# KiCad board panel.opm-inline.kicad_pcb (continued)
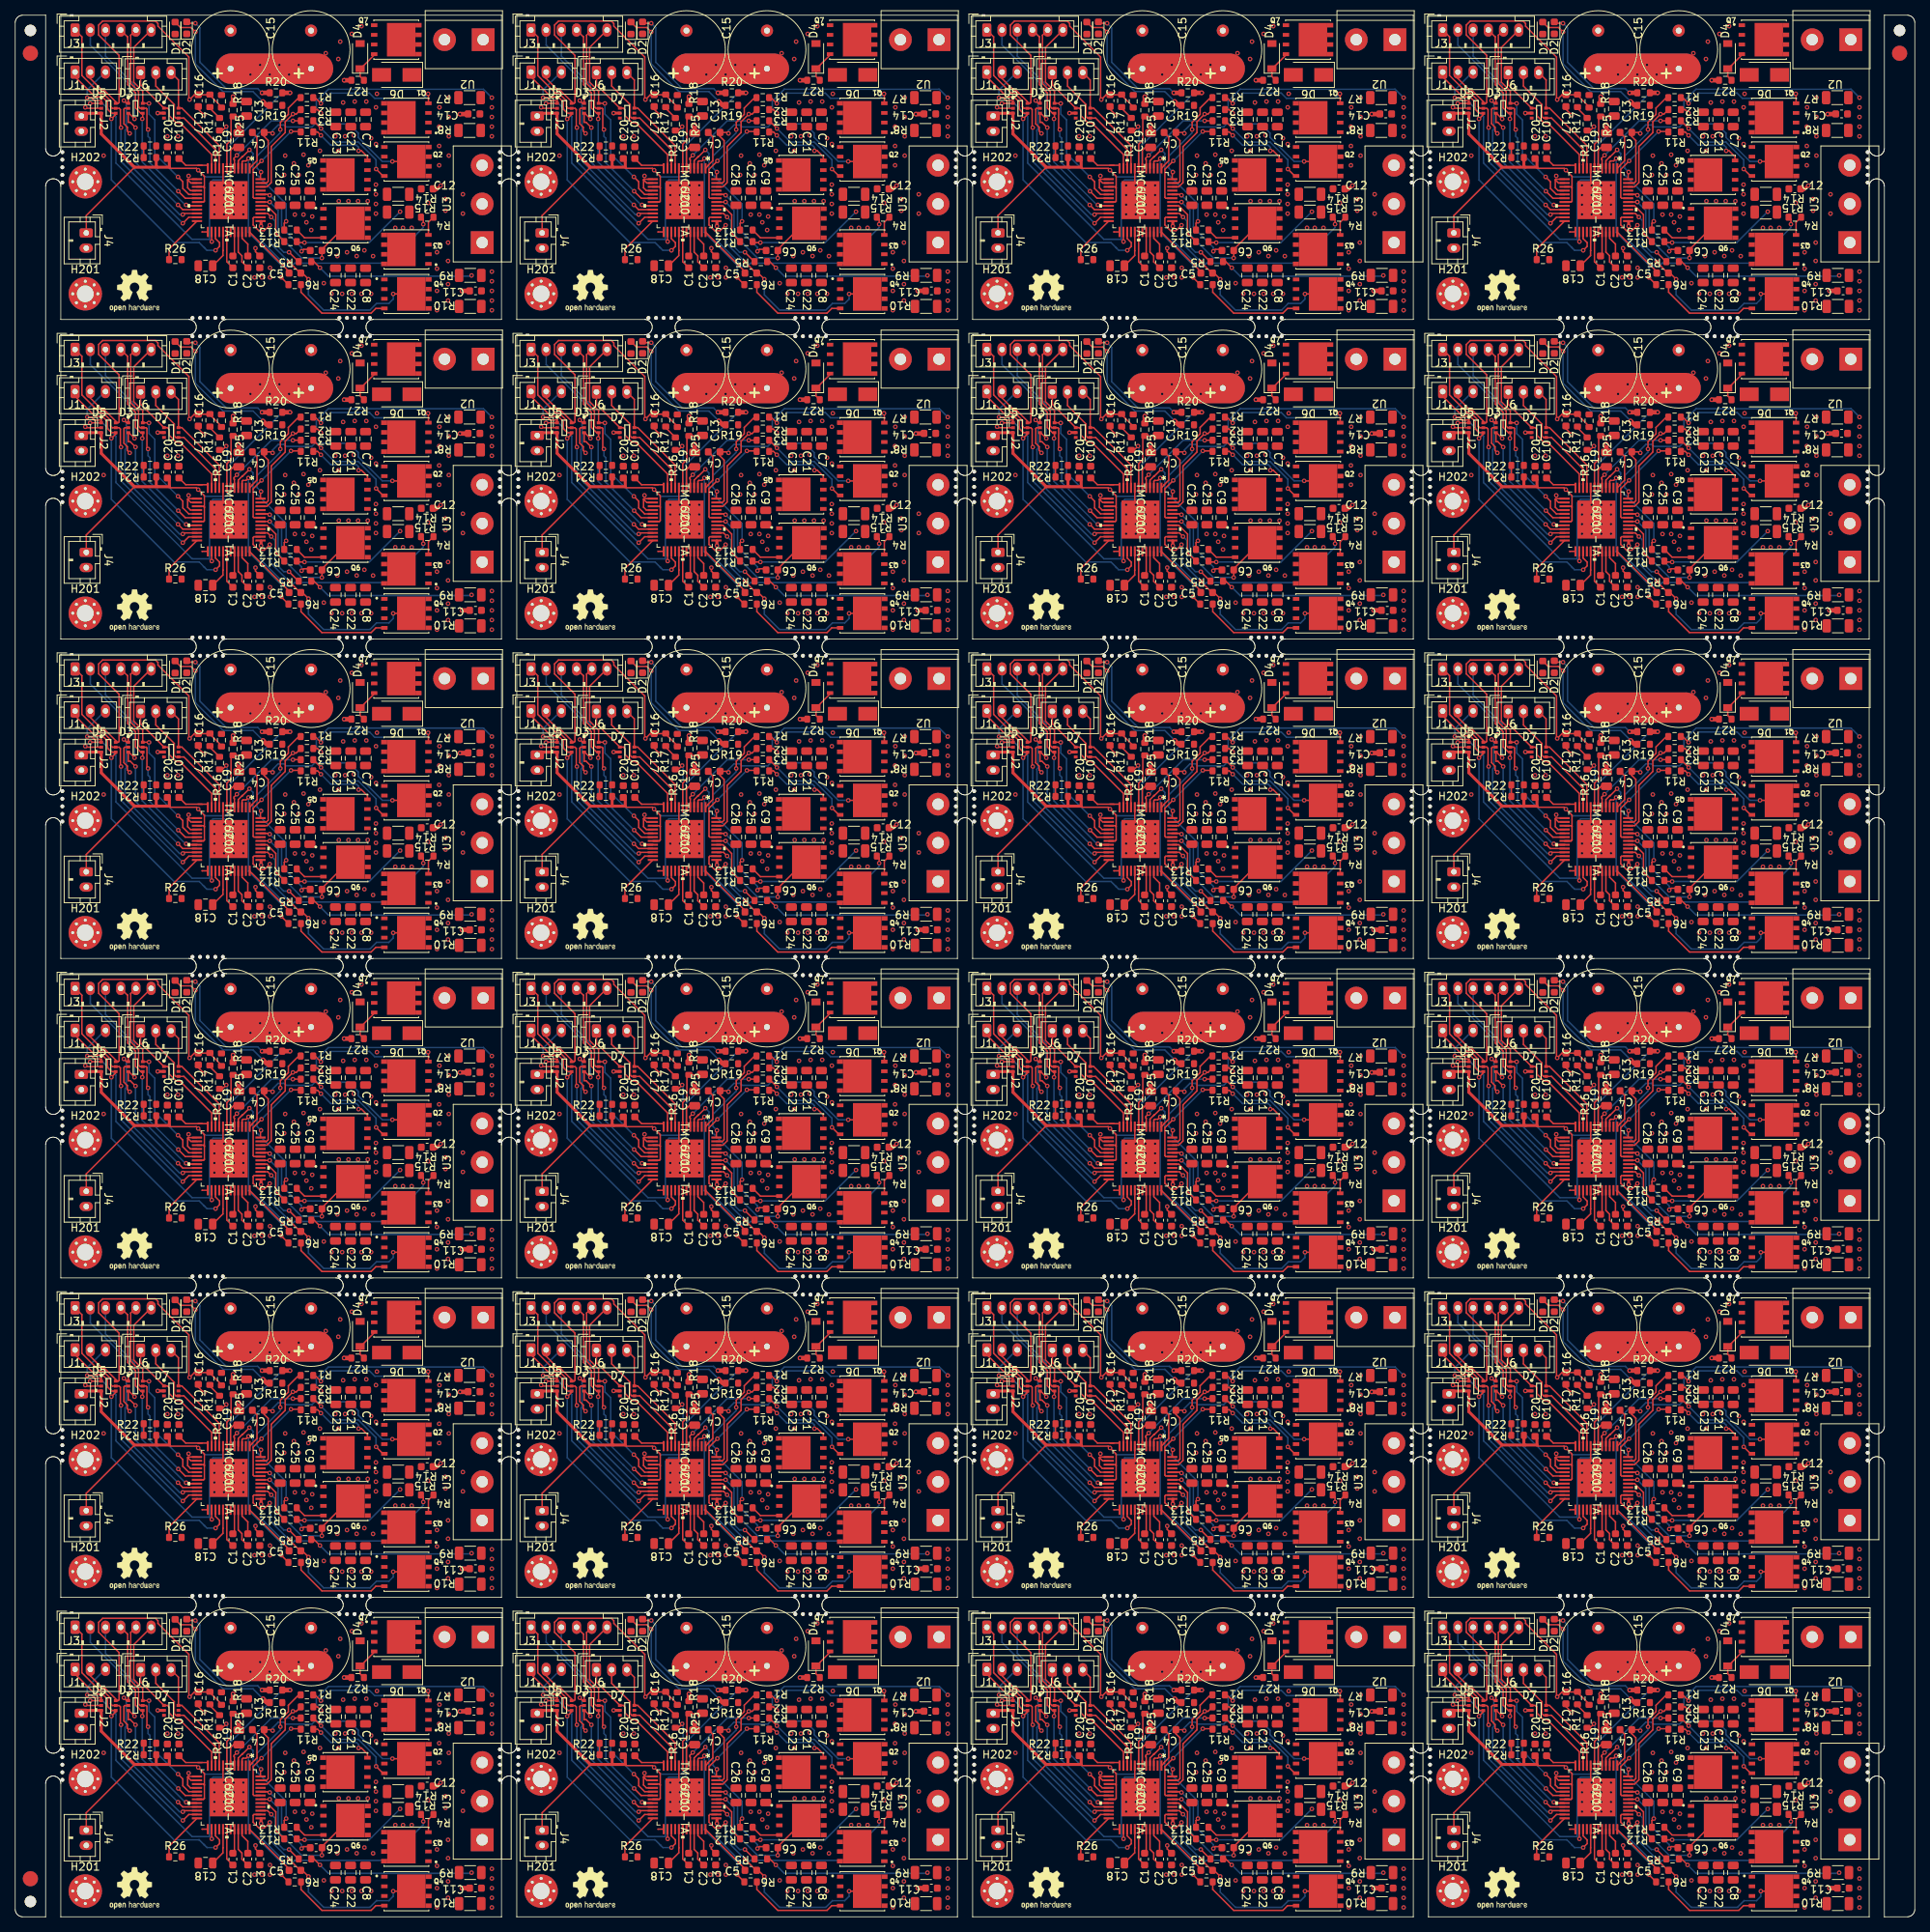
[diagram p0: board, top side]
## Copper pours and planes (outline as drawn; the poured copper is in the pictures) (continued)
Board_13-/+VM on Top: 107.9,119.37 105.87,119.37 100.79,115.18 98.25,116.45 97.74,118.35 105.11,123.31 107.9,123.31
Board_13-/+VM on Top: 113.36,107.81 107.77,107.81 107.77,110.61 100.53,110.61 100.53,114.29 113.36,114.29
Board_13-/+VM on Top: 113.11,90.16 101.04,90.16 101.04,93.84 107.65,93.97 107.65,96.76 113.11,96.64
Board_13-/+VM on Top: 94.15,89.02 89.79,89.02 89.79,91.56 94.15,91.56
Board_13-/+VM on Top: 105.14,100.45 93.42,100.45 93.42,106.8 105.14,106.8
Board_13-/+VM on Bottom: 105.14,100.45 93.42,100.45 93.42,106.8 105.14,106.8
Board_13-/+VM on Bottom: 113.11,90.16 101.04,90.16 101.04,93.84 107.65,93.97 107.65,96.76 113.11,96.64
Board_13-/+VM on Bottom: 107.87,119.37 105.84,119.37 100.76,115.18 98.22,116.45 97.71,118.35 105.08,123.31 107.87,123.31
Board_13-/+VM on Bottom: 113.36,107.81 107.77,107.81 107.77,110.61 100.53,110.61 104.09,114.29 113.36,114.16
Board_13-/+VM on In1.Cu: 107.63,119.42 105.6,119.42 99.14,115.05 97.98,116.5 97.47,118.41 104.84,123.36 107.63,123.36
Board_13-/+VM on In2.Cu: 123.23,84.34 66.08,84.34 66.08,123.71 123.23,123.71
Board_13-/U on Top: 123.9,102.12 119.2,102.1 119.2,114.8 123.9,114.82
Board_13-/U on Bottom: 123.9,102.12 119.2,102.1 119.2,114.8 123.9,114.82
Board_13-/V on Top: 123.9,96.84 107.39,96.84 107.39,101.92 123.9,101.92
Board_13-/V on Bottom: 123.9,96.84 107.39,96.84 107.39,101.92 123.9,101.92
Board_13-/W on Top: 123.9,83.94 119.58,84.06 119.58,96.76 123.9,96.64
Board_13-/W on Bottom: 123.9,83.94 119.58,83.94 119.58,96.64 123.9,96.64
Board_13-GND on Top: 123.23,84.34 66.08,84.34 66.08,123.71 123.23,123.71
Board_13-GND on Top: 107.39,108.07 109.68,108.07 109.68,103.62 107.27,103.62 107.27,106.03 105.49,106.03 105.49,107.05 100.28,107.05 100.28,110.22 107.39,110.22
Board_13-GND on Top: 101.17,95.37 97.87,95.37 97.87,96.25 97.49,96.64 96.34,96.64 96.34,97.27 95.71,97.65 94.82,97.52 94.82,97.91 94.44,98.41 93.93,98.41 93.93,99.94 101.17,99.94
Board_13-GND on Bottom: 123.23,84.32 66.08,84.32 66.08,123.69 123.23,123.69
Board_13-GND on Bottom: 101.17,95.37 97.87,95.37 97.87,96.25 97.49,96.64 96.34,96.64 96.34,97.27 95.71,97.65 94.82,97.52 94.82,97.91 94.44,98.41 93.93,98.41 93.93,99.94 101.17,99.94
Board_13-GND on In1.Cu: 123.23,84.34 66.08,84.34 66.08,123.71 123.23,123.71
Board_13-Net-(C4-Pad1) on Top: 118.95,102.48 110.06,102.48 110.12,106.6 113.74,106.67 113.74,111.75 115.2,111.68 115.2,114.22 119.01,114.22
Board_13-Net-(C4-Pad1) on Bottom: 118.95,102.48 110.06,102.48 110.12,106.6 113.74,106.67 113.74,111.75 115.2,111.68 115.2,114.22 119.01,114.22
Board_13-Net-(C5-Pad2) on Top: 119.08,84.32 109.93,84.32 109.93,89.78 113.74,89.78 113.74,94.48 115.14,94.48 115.14,96.64 119.08,96.64
Board_13-Net-(C5-Pad2) on Bottom: 119.08,84.32 109.93,84.32 109.93,89.78 113.74,89.78 113.74,94.48 115.14,94.48 115.14,96.64 119.08,96.64
Board_13-Net-(C6-Pad1) on Top: 107.14,103.37 107.77,103.37 107.77,101.72 109.55,101.72 109.55,97.02 107.27,97.02 107.27,94.48 101.68,94.48 101.68,100.06 105.49,100.06 105.49,104.26 107.14,104.26
Board_13-Net-(C6-Pad1) on Bottom: 107.14,103.37 107.77,103.37 107.77,101.72 109.55,101.72 109.55,97.02 107.27,97.02 107.27,94.48 101.68,94.48 101.68,100.06 105.49,100.06 105.49,104.26 107.14,104.26
Board_13-Net-(D6-Pad2) on Top: 118.82,117.84 111.61,117.84 110.31,117.34 110.31,114.67 106.63,114.67 106.63,117.34 107.77,118.05 107.77,123.18 118.82,123.18
Board_14-/+VM on Top: 167.85,119.37 165.82,119.37 160.74,115.18 158.2,116.45 157.69,118.35 165.06,123.31 167.85,123.31
Board_14-/+VM on Top: 173.31,107.81 167.72,107.81 167.72,110.61 160.48,110.61 160.48,114.29 173.31,114.29
Board_14-/+VM on Top: 173.06,90.16 160.99,90.16 160.99,93.84 167.6,93.97 167.6,96.76 173.06,96.64
Board_14-/+VM on Top: 154.1,89.02 149.74,89.02 149.74,91.56 154.1,91.56
Board_14-/+VM on Top: 165.09,100.45 153.37,100.45 153.37,106.8 165.09,106.8
Board_14-/+VM on Bottom: 165.09,100.45 153.37,100.45 153.37,106.8 165.09,106.8
Board_14-/+VM on Bottom: 173.06,90.16 160.99,90.16 160.99,93.84 167.6,93.97 167.6,96.76 173.06,96.64
Board_14-/+VM on Bottom: 167.82,119.37 165.79,119.37 160.71,115.18 158.17,116.45 157.66,118.35 165.03,123.31 167.82,123.31
Board_14-/+VM on Bottom: 173.31,107.81 167.72,107.81 167.72,110.61 160.48,110.61 164.04,114.29 173.31,114.16
Board_14-/+VM on In1.Cu: 167.58,119.42 165.55,119.42 159.09,115.05 157.93,116.5 157.42,118.41 164.79,123.36 167.58,123.36
Board_14-/+VM on In2.Cu: 183.18,84.34 126.03,84.34 126.03,123.71 183.18,123.71
Board_14-/U on Top: 183.85,102.12 179.15,102.1 179.15,114.8 183.85,114.82
Board_14-/U on Bottom: 183.85,102.12 179.15,102.1 179.15,114.8 183.85,114.82
Board_14-/V on Top: 183.85,96.84 167.34,96.84 167.34,101.92 183.85,101.92
Board_14-/V on Bottom: 183.85,96.84 167.34,96.84 167.34,101.92 183.85,101.92
Board_14-/W on Top: 183.85,83.94 179.53,84.06 179.53,96.76 183.85,96.64
Board_14-/W on Bottom: 183.85,83.94 179.53,83.94 179.53,96.64 183.85,96.64
Board_14-GND on Top: 183.18,84.34 126.03,84.34 126.03,123.71 183.18,123.71
Board_14-GND on Top: 167.34,108.07 169.63,108.07 169.63,103.62 167.22,103.62 167.22,106.03 165.44,106.03 165.44,107.05 160.23,107.05 160.23,110.22 167.34,110.22
Board_14-GND on Top: 161.12,95.37 157.82,95.37 157.82,96.25 157.44,96.64 156.29,96.64 156.29,97.27 155.66,97.65 154.77,97.52 154.77,97.91 154.39,98.41 153.88,98.41 153.88,99.94 161.12,99.94
Board_14-GND on Bottom: 183.18,84.32 126.03,84.32 126.03,123.69 183.18,123.69
Board_14-GND on Bottom: 161.12,95.37 157.82,95.37 157.82,96.25 157.44,96.64 156.29,96.64 156.29,97.27 155.66,97.65 154.77,97.52 154.77,97.91 154.39,98.41 153.88,98.41 153.88,99.94 161.12,99.94
Board_14-GND on In1.Cu: 183.18,84.34 126.03,84.34 126.03,123.71 183.18,123.71
Board_14-Net-(C4-Pad1) on Top: 178.9,102.48 170.01,102.48 170.07,106.6 173.69,106.67 173.69,111.75 175.15,111.68 175.15,114.22 178.96,114.22
Board_14-Net-(C4-Pad1) on Bottom: 178.9,102.48 170.01,102.48 170.07,106.6 173.69,106.67 173.69,111.75 175.15,111.68 175.15,114.22 178.96,114.22
Board_14-Net-(C5-Pad2) on Top: 179.03,84.32 169.88,84.32 169.88,89.78 173.69,89.78 173.69,94.48 175.09,94.48 175.09,96.64 179.03,96.64
Board_14-Net-(C5-Pad2) on Bottom: 179.03,84.32 169.88,84.32 169.88,89.78 173.69,89.78 173.69,94.48 175.09,94.48 175.09,96.64 179.03,96.64
Board_14-Net-(C6-Pad1) on Top: 167.09,103.37 167.72,103.37 167.72,101.72 169.5,101.72 169.5,97.02 167.22,97.02 167.22,94.48 161.63,94.48 161.63,100.06 165.44,100.06 165.44,104.26 167.09,104.26
Board_14-Net-(C6-Pad1) on Bottom: 167.09,103.37 167.72,103.37 167.72,101.72 169.5,101.72 169.5,97.02 167.22,97.02 167.22,94.48 161.63,94.48 161.63,100.06 165.44,100.06 165.44,104.26 167.09,104.26
Board_14-Net-(D6-Pad2) on Top: 178.77,117.84 171.56,117.84 170.26,117.34 170.26,114.67 166.58,114.67 166.58,117.34 167.72,118.05 167.72,123.18 178.77,123.18
Board_15-/+VM on Top: 227.8,119.37 225.77,119.37 220.69,115.18 218.15,116.45 217.64,118.35 225.01,123.31 227.8,123.31
Board_15-/+VM on Top: 233.26,107.81 227.67,107.81 227.67,110.61 220.43,110.61 220.43,114.29 233.26,114.29
Board_15-/+VM on Top: 233.01,90.16 220.94,90.16 220.94,93.84 227.55,93.97 227.55,96.76 233.01,96.64
Board_15-/+VM on Top: 214.05,89.02 209.69,89.02 209.69,91.56 214.05,91.56
Board_15-/+VM on Top: 225.04,100.45 213.32,100.45 213.32,106.8 225.04,106.8
Board_15-/+VM on Bottom: 225.04,100.45 213.32,100.45 213.32,106.8 225.04,106.8
Board_15-/+VM on Bottom: 233.01,90.16 220.94,90.16 220.94,93.84 227.55,93.97 227.55,96.76 233.01,96.64
Board_15-/+VM on Bottom: 227.77,119.37 225.74,119.37 220.66,115.18 218.12,116.45 217.61,118.35 224.98,123.31 227.77,123.31
Board_15-/+VM on Bottom: 233.26,107.81 227.67,107.81 227.67,110.61 220.43,110.61 223.99,114.29 233.26,114.16
Board_15-/+VM on In1.Cu: 227.53,119.42 225.5,119.42 219.04,115.05 217.88,116.5 217.37,118.41 224.74,123.36 227.53,123.36
Board_15-/+VM on In2.Cu: 243.13,84.34 185.98,84.34 185.98,123.71 243.13,123.71
Board_15-/U on Top: 243.8,102.12 239.1,102.1 239.1,114.8 243.8,114.82
Board_15-/U on Bottom: 243.8,102.12 239.1,102.1 239.1,114.8 243.8,114.82
Board_15-/V on Top: 243.8,96.84 227.29,96.84 227.29,101.92 243.8,101.92
Board_15-/V on Bottom: 243.8,96.84 227.29,96.84 227.29,101.92 243.8,101.92
Board_15-/W on Top: 243.8,83.94 239.48,84.06 239.48,96.76 243.8,96.64
Board_15-/W on Bottom: 243.8,83.94 239.48,83.94 239.48,96.64 243.8,96.64
Board_15-GND on Top: 243.13,84.34 185.98,84.34 185.98,123.71 243.13,123.71
Board_15-GND on Top: 227.29,108.07 229.58,108.07 229.58,103.62 227.17,103.62 227.17,106.03 225.39,106.03 225.39,107.05 220.18,107.05 220.18,110.22 227.29,110.22
Board_15-GND on Top: 221.07,95.37 217.77,95.37 217.77,96.25 217.39,96.64 216.24,96.64 216.24,97.27 215.61,97.65 214.72,97.52 214.72,97.91 214.34,98.41 213.83,98.41 213.83,99.94 221.07,99.94
Board_15-GND on Bottom: 243.13,84.32 185.98,84.32 185.98,123.69 243.13,123.69
Board_15-GND on Bottom: 221.07,95.37 217.77,95.37 217.77,96.25 217.39,96.64 216.24,96.64 216.24,97.27 215.61,97.65 214.72,97.52 214.72,97.91 214.34,98.41 213.83,98.41 213.83,99.94 221.07,99.94
Board_15-GND on In1.Cu: 243.13,84.34 185.98,84.34 185.98,123.71 243.13,123.71
Board_15-Net-(C4-Pad1) on Top: 238.85,102.48 229.96,102.48 230.02,106.6 233.64,106.67 233.64,111.75 235.1,111.68 235.1,114.22 238.91,114.22
Board_15-Net-(C4-Pad1) on Bottom: 238.85,102.48 229.96,102.48 230.02,106.6 233.64,106.67 233.64,111.75 235.1,111.68 235.1,114.22 238.91,114.22
Board_15-Net-(C5-Pad2) on Top: 238.98,84.32 229.83,84.32 229.83,89.78 233.64,89.78 233.64,94.48 235.04,94.48 235.04,96.64 238.98,96.64
Board_15-Net-(C5-Pad2) on Bottom: 238.98,84.32 229.83,84.32 229.83,89.78 233.64,89.78 233.64,94.48 235.04,94.48 235.04,96.64 238.98,96.64
Board_15-Net-(C6-Pad1) on Top: 227.04,103.37 227.67,103.37 227.67,101.72 229.45,101.72 229.45,97.02 227.17,97.02 227.17,94.48 221.58,94.48 221.58,100.06 225.39,100.06 225.39,104.26 227.04,104.26
Board_15-Net-(C6-Pad1) on Bottom: 227.04,103.37 227.67,103.37 227.67,101.72 229.45,101.72 229.45,97.02 227.17,97.02 227.17,94.48 221.58,94.48 221.58,100.06 225.39,100.06 225.39,104.26 227.04,104.26
Board_15-Net-(D6-Pad2) on Top: 238.72,117.84 231.51,117.84 230.21,117.34 230.21,114.67 226.53,114.67 226.53,117.34 227.67,118.05 227.67,123.18 238.72,123.18
Board_16-/+VM on Top: 47.95,77.38 45.92,77.38 40.84,73.19 38.3,74.46 37.79,76.36 45.16,81.32 47.95,81.32
Board_16-/+VM on Top: 53.41,65.82 47.82,65.82 47.82,68.62 40.58,68.62 40.58,72.3 53.41,72.3
Board_16-/+VM on Top: 53.16,48.17 41.09,48.17 41.09,51.85 47.7,51.98 47.7,54.77 53.16,54.65
Board_16-/+VM on Top: 34.2,47.03 29.84,47.03 29.84,49.57 34.2,49.57
Board_16-/+VM on Top: 45.19,58.46 33.47,58.46 33.47,64.81 45.19,64.81
Board_16-/+VM on Bottom: 45.19,58.46 33.47,58.46 33.47,64.81 45.19,64.81
Board_16-/+VM on Bottom: 53.16,48.17 41.09,48.17 41.09,51.85 47.7,51.98 47.7,54.77 53.16,54.65
Board_16-/+VM on Bottom: 47.92,77.38 45.89,77.38 40.81,73.19 38.27,74.46 37.76,76.36 45.13,81.32 47.92,81.32
Board_16-/+VM on Bottom: 53.41,65.82 47.82,65.82 47.82,68.62 40.58,68.62 44.14,72.3 53.41,72.17
Board_16-/+VM on In1.Cu: 47.68,77.43 45.65,77.43 39.19,73.06 38.03,74.51 37.52,76.42 44.89,81.37 47.68,81.37
Board_16-/+VM on In2.Cu: 63.28,42.35 6.13,42.35 6.13,81.72 63.28,81.72
Board_16-/U on Top: 63.95,60.13 59.25,60.11 59.25,72.81 63.95,72.83
Board_16-/U on Bottom: 63.95,60.13 59.25,60.11 59.25,72.81 63.95,72.83
Board_16-/V on Top: 63.95,54.85 47.44,54.85 47.44,59.93 63.95,59.93
Board_16-/V on Bottom: 63.95,54.85 47.44,54.85 47.44,59.93 63.95,59.93
Board_16-/W on Top: 63.95,41.95 59.63,42.07 59.63,54.77 63.95,54.65
Board_16-/W on Bottom: 63.95,41.95 59.63,41.95 59.63,54.65 63.95,54.65
Board_16-GND on Top: 63.28,42.35 6.13,42.35 6.13,81.72 63.28,81.72
Board_16-GND on Top: 47.44,66.08 49.73,66.08 49.73,61.63 47.31,61.63 47.31,64.04 45.54,64.04 45.54,65.06 40.33,65.06 40.33,68.23 47.44,68.23
Board_16-GND on Top: 41.22,53.38 37.92,53.38 37.92,54.26 37.54,54.65 36.39,54.65 36.39,55.28 35.76,55.66 34.87,55.53 34.87,55.92 34.49,56.42 33.98,56.42 33.98,57.95 41.22,57.95
Board_16-GND on Bottom: 63.28,42.33 6.13,42.33 6.13,81.7 63.28,81.7
Board_16-GND on Bottom: 41.22,53.38 37.92,53.38 37.92,54.26 37.54,54.65 36.39,54.65 36.39,55.28 35.76,55.66 34.87,55.53 34.87,55.92 34.49,56.42 33.98,56.42 33.98,57.95 41.22,57.95
Board_16-GND on In1.Cu: 63.28,42.35 6.13,42.35 6.13,81.72 63.28,81.72
Board_16-Net-(C4-Pad1) on Top: 59,60.49 50.11,60.49 50.17,64.61 53.79,64.68 53.79,69.76 55.25,69.69 55.25,72.23 59.06,72.23
Board_16-Net-(C4-Pad1) on Bottom: 59,60.49 50.11,60.49 50.17,64.61 53.79,64.68 53.79,69.76 55.25,69.69 55.25,72.23 59.06,72.23
Board_16-Net-(C5-Pad2) on Top: 59.13,42.33 49.98,42.33 49.98,47.79 53.79,47.79 53.79,52.49 55.19,52.49 55.19,54.65 59.13,54.65
Board_16-Net-(C5-Pad2) on Bottom: 59.13,42.33 49.98,42.33 49.98,47.79 53.79,47.79 53.79,52.49 55.19,52.49 55.19,54.65 59.13,54.65
Board_16-Net-(C6-Pad1) on Top: 47.19,61.38 47.82,61.38 47.82,59.73 49.6,59.73 49.6,55.03 47.31,55.03 47.31,52.49 41.73,52.49 41.73,58.07 45.54,58.07 45.54,62.27 47.19,62.27
Board_16-Net-(C6-Pad1) on Bottom: 47.19,61.38 47.82,61.38 47.82,59.73 49.6,59.73 49.6,55.03 47.31,55.03 47.31,52.49 41.73,52.49 41.73,58.07 45.54,58.07 45.54,62.27 47.19,62.27
Board_16-Net-(D6-Pad2) on Top: 58.87,75.85 51.66,75.85 50.36,75.35 50.36,72.68 46.68,72.68 46.68,75.35 47.82,76.06 47.82,81.19 58.87,81.19
Board_17-/+VM on Top: 107.9,77.38 105.87,77.38 100.79,73.19 98.25,74.46 97.74,76.36 105.11,81.32 107.9,81.32
Board_17-/+VM on Top: 113.36,65.82 107.77,65.82 107.77,68.62 100.53,68.62 100.53,72.3 113.36,72.3
Board_17-/+VM on Top: 113.11,48.17 101.04,48.17 101.04,51.85 107.65,51.98 107.65,54.77 113.11,54.65
Board_17-/+VM on Top: 94.15,47.03 89.79,47.03 89.79,49.57 94.15,49.57
Board_17-/+VM on Top: 105.14,58.46 93.42,58.46 93.42,64.81 105.14,64.81
Board_17-/+VM on Bottom: 105.14,58.46 93.42,58.46 93.42,64.81 105.14,64.81
Board_17-/+VM on Bottom: 113.11,48.17 101.04,48.17 101.04,51.85 107.65,51.98 107.65,54.77 113.11,54.65
Board_17-/+VM on Bottom: 107.87,77.38 105.84,77.38 100.76,73.19 98.22,74.46 97.71,76.36 105.08,81.32 107.87,81.32
Board_17-/+VM on Bottom: 113.36,65.82 107.77,65.82 107.77,68.62 100.53,68.62 104.09,72.3 113.36,72.17
Board_17-/+VM on In1.Cu: 107.63,77.43 105.6,77.43 99.14,73.06 97.98,74.51 97.47,76.42 104.84,81.37 107.63,81.37
Board_17-/+VM on In2.Cu: 123.23,42.35 66.08,42.35 66.08,81.72 123.23,81.72
Board_17-/U on Top: 123.9,60.13 119.2,60.11 119.2,72.81 123.9,72.83
Board_17-/U on Bottom: 123.9,60.13 119.2,60.11 119.2,72.81 123.9,72.83
Board_17-/V on Top: 123.9,54.85 107.39,54.85 107.39,59.93 123.9,59.93
Board_17-/V on Bottom: 123.9,54.85 107.39,54.85 107.39,59.93 123.9,59.93
Board_17-/W on Top: 123.9,41.95 119.58,42.07 119.58,54.77 123.9,54.65
Board_17-/W on Bottom: 123.9,41.95 119.58,41.95 119.58,54.65 123.9,54.65
Board_17-GND on Top: 123.23,42.35 66.08,42.35 66.08,81.72 123.23,81.72
Board_17-GND on Top: 107.39,66.08 109.68,66.08 109.68,61.63 107.27,61.63 107.27,64.04 105.49,64.04 105.49,65.06 100.28,65.06 100.28,68.23 107.39,68.23
Board_17-GND on Top: 101.17,53.38 97.87,53.38 97.87,54.26 97.49,54.65 96.34,54.65 96.34,55.28 95.71,55.66 94.82,55.53 94.82,55.92 94.44,56.42 93.93,56.42 93.93,57.95 101.17,57.95
Board_17-GND on Bottom: 123.23,42.33 66.08,42.33 66.08,81.7 123.23,81.7
Board_17-GND on Bottom: 101.17,53.38 97.87,53.38 97.87,54.26 97.49,54.65 96.34,54.65 96.34,55.28 95.71,55.66 94.82,55.53 94.82,55.92 94.44,56.42 93.93,56.42 93.93,57.95 101.17,57.95
Board_17-GND on In1.Cu: 123.23,42.35 66.08,42.35 66.08,81.72 123.23,81.72
Board_17-Net-(C4-Pad1) on Top: 118.95,60.49 110.06,60.49 110.12,64.61 113.74,64.68 113.74,69.76 115.2,69.69 115.2,72.23 119.01,72.23
Board_17-Net-(C4-Pad1) on Bottom: 118.95,60.49 110.06,60.49 110.12,64.61 113.74,64.68 113.74,69.76 115.2,69.69 115.2,72.23 119.01,72.23
Board_17-Net-(C5-Pad2) on Top: 119.08,42.33 109.93,42.33 109.93,47.79 113.74,47.79 113.74,52.49 115.14,52.49 115.14,54.65 119.08,54.65
Board_17-Net-(C5-Pad2) on Bottom: 119.08,42.33 109.93,42.33 109.93,47.79 113.74,47.79 113.74,52.49 115.14,52.49 115.14,54.65 119.08,54.65
Board_17-Net-(C6-Pad1) on Top: 107.14,61.38 107.77,61.38 107.77,59.73 109.55,59.73 109.55,55.03 107.27,55.03 107.27,52.49 101.68,52.49 101.68,58.07 105.49,58.07 105.49,62.27 107.14,62.27
Board_17-Net-(C6-Pad1) on Bottom: 107.14,61.38 107.77,61.38 107.77,59.73 109.55,59.73 109.55,55.03 107.27,55.03 107.27,52.49 101.68,52.49 101.68,58.07 105.49,58.07 105.49,62.27 107.14,62.27
Board_17-Net-(D6-Pad2) on Top: 118.82,75.85 111.61,75.85 110.31,75.35 110.31,72.68 106.63,72.68 106.63,75.35 107.77,76.06 107.77,81.19 118.82,81.19
Board_18-/+VM on Top: 167.85,77.38 165.82,77.38 160.74,73.19 158.2,74.46 157.69,76.36 165.06,81.32 167.85,81.32
Board_18-/+VM on Top: 173.31,65.82 167.72,65.82 167.72,68.62 160.48,68.62 160.48,72.3 173.31,72.3
Board_18-/+VM on Top: 173.06,48.17 160.99,48.17 160.99,51.85 167.6,51.98 167.6,54.77 173.06,54.65
Board_18-/+VM on Top: 154.1,47.03 149.74,47.03 149.74,49.57 154.1,49.57
Board_18-/+VM on Top: 165.09,58.46 153.37,58.46 153.37,64.81 165.09,64.81
Board_18-/+VM on Bottom: 165.09,58.46 153.37,58.46 153.37,64.81 165.09,64.81
Board_18-/+VM on Bottom: 173.06,48.17 160.99,48.17 160.99,51.85 167.6,51.98 167.6,54.77 173.06,54.65
Board_18-/+VM on Bottom: 167.82,77.38 165.79,77.38 160.71,73.19 158.17,74.46 157.66,76.36 165.03,81.32 167.82,81.32
Board_18-/+VM on Bottom: 173.31,65.82 167.72,65.82 167.72,68.62 160.48,68.62 164.04,72.3 173.31,72.17
Board_18-/+VM on In1.Cu: 167.58,77.43 165.55,77.43 159.09,73.06 157.93,74.51 157.42,76.42 164.79,81.37 167.58,81.37
Board_18-/+VM on In2.Cu: 183.18,42.35 126.03,42.35 126.03,81.72 183.18,81.72
Board_18-/U on Top: 183.85,60.13 179.15,60.11 179.15,72.81 183.85,72.83
Board_18-/U on Bottom: 183.85,60.13 179.15,60.11 179.15,72.81 183.85,72.83
Board_18-/V on Top: 183.85,54.85 167.34,54.85 167.34,59.93 183.85,59.93
Board_18-/V on Bottom: 183.85,54.85 167.34,54.85 167.34,59.93 183.85,59.93
Board_18-/W on Top: 183.85,41.95 179.53,42.07 179.53,54.77 183.85,54.65
Board_18-/W on Bottom: 183.85,41.95 179.53,41.95 179.53,54.65 183.85,54.65
Board_18-GND on Top: 183.18,42.35 126.03,42.35 126.03,81.72 183.18,81.72
Board_18-GND on Top: 167.34,66.08 169.63,66.08 169.63,61.63 167.22,61.63 167.22,64.04 165.44,64.04 165.44,65.06 160.23,65.06 160.23,68.23 167.34,68.23
Board_18-GND on Top: 161.12,53.38 157.82,53.38 157.82,54.26 157.44,54.65 156.29,54.65 156.29,55.28 155.66,55.66 154.77,55.53 154.77,55.92 154.39,56.42 153.88,56.42 153.88,57.95 161.12,57.95
Board_18-GND on Bottom: 183.18,42.33 126.03,42.33 126.03,81.7 183.18,81.7
Board_18-GND on Bottom: 161.12,53.38 157.82,53.38 157.82,54.26 157.44,54.65 156.29,54.65 156.29,55.28 155.66,55.66 154.77,55.53 154.77,55.92 154.39,56.42 153.88,56.42 153.88,57.95 161.12,57.95
Board_18-GND on In1.Cu: 183.18,42.35 126.03,42.35 126.03,81.72 183.18,81.72
Board_18-Net-(C4-Pad1) on Top: 178.9,60.49 170.01,60.49 170.07,64.61 173.69,64.68 173.69,69.76 175.15,69.69 175.15,72.23 178.96,72.23
Board_18-Net-(C4-Pad1) on Bottom: 178.9,60.49 170.01,60.49 170.07,64.61 173.69,64.68 173.69,69.76 175.15,69.69 175.15,72.23 178.96,72.23
Board_18-Net-(C5-Pad2) on Top: 179.03,42.33 169.88,42.33 169.88,47.79 173.69,47.79 173.69,52.49 175.09,52.49 175.09,54.65 179.03,54.65
Board_18-Net-(C5-Pad2) on Bottom: 179.03,42.33 169.88,42.33 169.88,47.79 173.69,47.79 173.69,52.49 175.09,52.49 175.09,54.65 179.03,54.65
Board_18-Net-(C6-Pad1) on Top: 167.09,61.38 167.72,61.38 167.72,59.73 169.5,59.73 169.5,55.03 167.22,55.03 167.22,52.49 161.63,52.49 161.63,58.07 165.44,58.07 165.44,62.27 167.09,62.27
Board_18-Net-(C6-Pad1) on Bottom: 167.09,61.38 167.72,61.38 167.72,59.73 169.5,59.73 169.5,55.03 167.22,55.03 167.22,52.49 161.63,52.49 161.63,58.07 165.44,58.07 165.44,62.27 167.09,62.27
Board_18-Net-(D6-Pad2) on Top: 178.77,75.85 171.56,75.85 170.26,75.35 170.26,72.68 166.58,72.68 166.58,75.35 167.72,76.06 167.72,81.19 178.77,81.19
Board_19-/+VM on Top: 227.8,77.38 225.77,77.38 220.69,73.19 218.15,74.46 217.64,76.36 225.01,81.32 227.8,81.32
Board_19-/+VM on Top: 233.26,65.82 227.67,65.82 227.67,68.62 220.43,68.62 220.43,72.3 233.26,72.3
Board_19-/+VM on Top: 233.01,48.17 220.94,48.17 220.94,51.85 227.55,51.98 227.55,54.77 233.01,54.65
Board_19-/+VM on Top: 214.05,47.03 209.69,47.03 209.69,49.57 214.05,49.57
Board_19-/+VM on Top: 225.04,58.46 213.32,58.46 213.32,64.81 225.04,64.81
Board_19-/+VM on Bottom: 225.04,58.46 213.32,58.46 213.32,64.81 225.04,64.81
Board_19-/+VM on Bottom: 233.01,48.17 220.94,48.17 220.94,51.85 227.55,51.98 227.55,54.77 233.01,54.65
Board_19-/+VM on Bottom: 227.77,77.38 225.74,77.38 220.66,73.19 218.12,74.46 217.61,76.36 224.98,81.32 227.77,81.32
Board_19-/+VM on Bottom: 233.26,65.82 227.67,65.82 227.67,68.62 220.43,68.62 223.99,72.3 233.26,72.17
Board_19-/+VM on In1.Cu: 227.53,77.43 225.5,77.43 219.04,73.06 217.88,74.51 217.37,76.42 224.74,81.37 227.53,81.37
Board_19-/+VM on In2.Cu: 243.13,42.35 185.98,42.35 185.98,81.72 243.13,81.72
Board_19-/U on Top: 243.8,60.13 239.1,60.11 239.1,72.81 243.8,72.83
Board_19-/U on Bottom: 243.8,60.13 239.1,60.11 239.1,72.81 243.8,72.83
Board_19-/V on Top: 243.8,54.85 227.29,54.85 227.29,59.93 243.8,59.93
Board_19-/V on Bottom: 243.8,54.85 227.29,54.85 227.29,59.93 243.8,59.93
Board_19-/W on Top: 243.8,41.95 239.48,42.07 239.48,54.77 243.8,54.65
Board_19-/W on Bottom: 243.8,41.95 239.48,41.95 239.48,54.65 243.8,54.65
Board_19-GND on Top: 243.13,42.35 185.98,42.35 185.98,81.72 243.13,81.72
Board_19-GND on Top: 227.29,66.08 229.58,66.08 229.58,61.63 227.17,61.63 227.17,64.04 225.39,64.04 225.39,65.06 220.18,65.06 220.18,68.23 227.29,68.23
Board_19-GND on Top: 221.07,53.38 217.77,53.38 217.77,54.26 217.39,54.65 216.24,54.65 216.24,55.28 215.61,55.66 214.72,55.53 214.72,55.92 214.34,56.42 213.83,56.42 213.83,57.95 221.07,57.95
Board_19-GND on Bottom: 243.13,42.33 185.98,42.33 185.98,81.7 243.13,81.7
Board_19-GND on Bottom: 221.07,53.38 217.77,53.38 217.77,54.26 217.39,54.65 216.24,54.65 216.24,55.28 215.61,55.66 214.72,55.53 214.72,55.92 214.34,56.42 213.83,56.42 213.83,57.95 221.07,57.95
Board_19-GND on In1.Cu: 243.13,42.35 185.98,42.35 185.98,81.72 243.13,81.72
Board_19-Net-(C4-Pad1) on Top: 238.85,60.49 229.96,60.49 230.02,64.61 233.64,64.68 233.64,69.76 235.1,69.69 235.1,72.23 238.91,72.23
Board_19-Net-(C4-Pad1) on Bottom: 238.85,60.49 229.96,60.49 230.02,64.61 233.64,64.68 233.64,69.76 235.1,69.69 235.1,72.23 238.91,72.23
Board_19-Net-(C5-Pad2) on Top: 238.98,42.33 229.83,42.33 229.83,47.79 233.64,47.79 233.64,52.49 235.04,52.49 235.04,54.65 238.98,54.65
Board_19-Net-(C5-Pad2) on Bottom: 238.98,42.33 229.83,42.33 229.83,47.79 233.64,47.79 233.64,52.49 235.04,52.49 235.04,54.65 238.98,54.65
Board_19-Net-(C6-Pad1) on Top: 227.04,61.38 227.67,61.38 227.67,59.73 229.45,59.73 229.45,55.03 227.17,55.03 227.17,52.49 221.58,52.49 221.58,58.07 225.39,58.07 225.39,62.27 227.04,62.27
Board_19-Net-(C6-Pad1) on Bottom: 227.04,61.38 227.67,61.38 227.67,59.73 229.45,59.73 229.45,55.03 227.17,55.03 227.17,52.49 221.58,52.49 221.58,58.07 225.39,58.07 225.39,62.27 227.04,62.27
Board_19-Net-(D6-Pad2) on Top: 238.72,75.85 231.51,75.85 230.21,75.35 230.21,72.68 226.53,72.68 226.53,75.35 227.67,76.06 227.67,81.19 238.72,81.19
Board_20-/+VM on Top: 47.95,35.39 45.92,35.39 40.84,31.2 38.3,32.47 37.79,34.37 45.16,39.33 47.95,39.33
Board_20-/+VM on Top: 53.41,23.83 47.82,23.83 47.82,26.63 40.58,26.63 40.58,30.31 53.41,30.31
Board_20-/+VM on Top: 53.16,6.18 41.09,6.18 41.09,9.86 47.7,9.99 47.7,12.78 53.16,12.66
Board_20-/+VM on Top: 34.2,5.04 29.84,5.04 29.84,7.58 34.2,7.58
Board_20-/+VM on Top: 45.19,16.47 33.47,16.47 33.47,22.82 45.19,22.82
Board_20-/+VM on Bottom: 45.19,16.47 33.47,16.47 33.47,22.82 45.19,22.82
Board_20-/+VM on Bottom: 53.16,6.18 41.09,6.18 41.09,9.86 47.7,9.99 47.7,12.78 53.16,12.66
Board_20-/+VM on Bottom: 47.92,35.39 45.89,35.39 40.81,31.2 38.27,32.47 37.76,34.37 45.13,39.33 47.92,39.33
Board_20-/+VM on Bottom: 53.41,23.83 47.82,23.83 47.82,26.63 40.58,26.63 44.14,30.31 53.41,30.18
Board_20-/+VM on In1.Cu: 47.68,35.44 45.65,35.44 39.19,31.07 38.03,32.52 37.52,34.43 44.89,39.38 47.68,39.38
Board_20-/+VM on In2.Cu: 63.28,0.36 6.13,0.36 6.13,39.73 63.28,39.73
Board_20-/U on Top: 63.95,18.14 59.25,18.12 59.25,30.82 63.95,30.84
Board_20-/U on Bottom: 63.95,18.14 59.25,18.12 59.25,30.82 63.95,30.84
Board_20-/V on Top: 63.95,12.86 47.44,12.86 47.44,17.94 63.95,17.94
Board_20-/V on Bottom: 63.95,12.86 47.44,12.86 47.44,17.94 63.95,17.94
Board_20-/W on Top: 63.95,-0.04 59.63,0.08 59.63,12.78 63.95,12.66
Board_20-/W on Bottom: 63.95,-0.04 59.63,-0.04 59.63,12.66 63.95,12.66
Board_20-GND on Top: 63.28,0.36 6.13,0.36 6.13,39.73 63.28,39.73
Board_20-GND on Top: 47.44,24.09 49.73,24.09 49.73,19.64 47.31,19.64 47.31,22.05 45.54,22.05 45.54,23.07 40.33,23.07 40.33,26.24 47.44,26.24
Board_20-GND on Top: 41.22,11.39 37.92,11.39 37.92,12.27 37.54,12.66 36.39,12.66 36.39,13.29 35.76,13.67 34.87,13.54 34.87,13.93 34.49,14.43 33.98,14.43 33.98,15.96 41.22,15.96
Board_20-GND on Bottom: 63.28,0.34 6.13,0.34 6.13,39.71 63.28,39.71
Board_20-GND on Bottom: 41.22,11.39 37.92,11.39 37.92,12.27 37.54,12.66 36.39,12.66 36.39,13.29 35.76,13.67 34.87,13.54 34.87,13.93 34.49,14.43 33.98,14.43 33.98,15.96 41.22,15.96
Board_20-GND on In1.Cu: 63.28,0.36 6.13,0.36 6.13,39.73 63.28,39.73
Board_20-Net-(C4-Pad1) on Top: 59,18.5 50.11,18.5 50.17,22.62 53.79,22.69 53.79,27.77 55.25,27.7 55.25,30.24 59.06,30.24
Board_20-Net-(C4-Pad1) on Bottom: 59,18.5 50.11,18.5 50.17,22.62 53.79,22.69 53.79,27.77 55.25,27.7 55.25,30.24 59.06,30.24
Board_20-Net-(C5-Pad2) on Top: 59.13,0.34 49.98,0.34 49.98,5.8 53.79,5.8 53.79,10.5 55.19,10.5 55.19,12.66 59.13,12.66
Board_20-Net-(C5-Pad2) on Bottom: 59.13,0.34 49.98,0.34 49.98,5.8 53.79,5.8 53.79,10.5 55.19,10.5 55.19,12.66 59.13,12.66
Board_20-Net-(C6-Pad1) on Top: 47.19,19.39 47.82,19.39 47.82,17.74 49.6,17.74 49.6,13.04 47.31,13.04 47.31,10.5 41.73,10.5 41.73,16.08 45.54,16.08 45.54,20.28 47.19,20.28
Board_20-Net-(C6-Pad1) on Bottom: 47.19,19.39 47.82,19.39 47.82,17.74 49.6,17.74 49.6,13.04 47.31,13.04 47.31,10.5 41.73,10.5 41.73,16.08 45.54,16.08 45.54,20.28 47.19,20.28
Board_20-Net-(D6-Pad2) on Top: 58.87,33.86 51.66,33.86 50.36,33.36 50.36,30.69 46.68,30.69 46.68,33.36 47.82,34.07 47.82,39.2 58.87,39.2
Board_21-/+VM on Top: 107.9,35.39 105.87,35.39 100.79,31.2 98.25,32.47 97.74,34.37 105.11,39.33 107.9,39.33
Board_21-/+VM on Top: 113.36,23.83 107.77,23.83 107.77,26.63 100.53,26.63 100.53,30.31 113.36,30.31
Board_21-/+VM on Top: 113.11,6.18 101.04,6.18 101.04,9.86 107.65,9.99 107.65,12.78 113.11,12.66
Board_21-/+VM on Top: 94.15,5.04 89.79,5.04 89.79,7.58 94.15,7.58
Board_21-/+VM on Top: 105.14,16.47 93.42,16.47 93.42,22.82 105.14,22.82
Board_21-/+VM on Bottom: 105.14,16.47 93.42,16.47 93.42,22.82 105.14,22.82
Board_21-/+VM on Bottom: 113.11,6.18 101.04,6.18 101.04,9.86 107.65,9.99 107.65,12.78 113.11,12.66
Board_21-/+VM on Bottom: 107.87,35.39 105.84,35.39 100.76,31.2 98.22,32.47 97.71,34.37 105.08,39.33 107.87,39.33
Board_21-/+VM on Bottom: 113.36,23.83 107.77,23.83 107.77,26.63 100.53,26.63 104.09,30.31 113.36,30.18
Board_21-/+VM on In1.Cu: 107.63,35.44 105.6,35.44 99.14,31.07 97.98,32.52 97.47,34.43 104.84,39.38 107.63,39.38
Board_21-/+VM on In2.Cu: 123.23,0.36 66.08,0.36 66.08,39.73 123.23,39.73
Board_21-/U on Top: 123.9,18.14 119.2,18.12 119.2,30.82 123.9,30.84
Board_21-/U on Bottom: 123.9,18.14 119.2,18.12 119.2,30.82 123.9,30.84
Board_21-/V on Top: 123.9,12.86 107.39,12.86 107.39,17.94 123.9,17.94
Board_21-/V on Bottom: 123.9,12.86 107.39,12.86 107.39,17.94 123.9,17.94
Board_21-/W on Top: 123.9,-0.04 119.58,0.08 119.58,12.78 123.9,12.66
Board_21-/W on Bottom: 123.9,-0.04 119.58,-0.04 119.58,12.66 123.9,12.66
Board_21-GND on Top: 123.23,0.36 66.08,0.36 66.08,39.73 123.23,39.73
Board_21-GND on Top: 107.39,24.09 109.68,24.09 109.68,19.64 107.27,19.64 107.27,22.05 105.49,22.05 105.49,23.07 100.28,23.07 100.28,26.24 107.39,26.24
Board_21-GND on Top: 101.17,11.39 97.87,11.39 97.87,12.27 97.49,12.66 96.34,12.66 96.34,13.29 95.71,13.67 94.82,13.54 94.82,13.93 94.44,14.43 93.93,14.43 93.93,15.96 101.17,15.96
Board_21-GND on Bottom: 123.23,0.34 66.08,0.34 66.08,39.71 123.23,39.71
Board_21-GND on Bottom: 101.17,11.39 97.87,11.39 97.87,12.27 97.49,12.66 96.34,12.66 96.34,13.29 95.71,13.67 94.82,13.54 94.82,13.93 94.44,14.43 93.93,14.43 93.93,15.96 101.17,15.96
Board_21-GND on In1.Cu: 123.23,0.36 66.08,0.36 66.08,39.73 123.23,39.73
Board_21-Net-(C4-Pad1) on Top: 118.95,18.5 110.06,18.5 110.12,22.62 113.74,22.69 113.74,27.77 115.2,27.7 115.2,30.24 119.01,30.24
Board_21-Net-(C4-Pad1) on Bottom: 118.95,18.5 110.06,18.5 110.12,22.62 113.74,22.69 113.74,27.77 115.2,27.7 115.2,30.24 119.01,30.24
Board_21-Net-(C5-Pad2) on Top: 119.08,0.34 109.93,0.34 109.93,5.8 113.74,5.8 113.74,10.5 115.14,10.5 115.14,12.66 119.08,12.66
Board_21-Net-(C5-Pad2) on Bottom: 119.08,0.34 109.93,0.34 109.93,5.8 113.74,5.8 113.74,10.5 115.14,10.5 115.14,12.66 119.08,12.66
Board_21-Net-(C6-Pad1) on Top: 107.14,19.39 107.77,19.39 107.77,17.74 109.55,17.74 109.55,13.04 107.27,13.04 107.27,10.5 101.68,10.5 101.68,16.08 105.49,16.08 105.49,20.28 107.14,20.28
Board_21-Net-(C6-Pad1) on Bottom: 107.14,19.39 107.77,19.39 107.77,17.74 109.55,17.74 109.55,13.04 107.27,13.04 107.27,10.5 101.68,10.5 101.68,16.08 105.49,16.08 105.49,20.28 107.14,20.28
Board_21-Net-(D6-Pad2) on Top: 118.82,33.86 111.61,33.86 110.31,33.36 110.31,30.69 106.63,30.69 106.63,33.36 107.77,34.07 107.77,39.2 118.82,39.2
Board_22-/+VM on Top: 167.85,35.39 165.82,35.39 160.74,31.2 158.2,32.47 157.69,34.37 165.06,39.33 167.85,39.33
Board_22-/+VM on Top: 173.31,23.83 167.72,23.83 167.72,26.63 160.48,26.63 160.48,30.31 173.31,30.31
Board_22-/+VM on Top: 173.06,6.18 160.99,6.18 160.99,9.86 167.6,9.99 167.6,12.78 173.06,12.66
Board_22-/+VM on Top: 154.1,5.04 149.74,5.04 149.74,7.58 154.1,7.58
Board_22-/+VM on Top: 165.09,16.47 153.37,16.47 153.37,22.82 165.09,22.82
Board_22-/+VM on Bottom: 165.09,16.47 153.37,16.47 153.37,22.82 165.09,22.82
Board_22-/+VM on Bottom: 173.06,6.18 160.99,6.18 160.99,9.86 167.6,9.99 167.6,12.78 173.06,12.66
Board_22-/+VM on Bottom: 167.82,35.39 165.79,35.39 160.71,31.2 158.17,32.47 157.66,34.37 165.03,39.33 167.82,39.33
Board_22-/+VM on Bottom: 173.31,23.83 167.72,23.83 167.72,26.63 160.48,26.63 164.04,30.31 173.31,30.18
Board_22-/+VM on In1.Cu: 167.58,35.44 165.55,35.44 159.09,31.07 157.93,32.52 157.42,34.43 164.79,39.38 167.58,39.38
Board_22-/+VM on In2.Cu: 183.18,0.36 126.03,0.36 126.03,39.73 183.18,39.73
Board_22-/U on Top: 183.85,18.14 179.15,18.12 179.15,30.82 183.85,30.84
Board_22-/U on Bottom: 183.85,18.14 179.15,18.12 179.15,30.82 183.85,30.84
Board_22-/V on Top: 183.85,12.86 167.34,12.86 167.34,17.94 183.85,17.94
Board_22-/V on Bottom: 183.85,12.86 167.34,12.86 167.34,17.94 183.85,17.94
Board_22-/W on Top: 183.85,-0.04 179.53,0.08 179.53,12.78 183.85,12.66
Board_22-/W on Bottom: 183.85,-0.04 179.53,-0.04 179.53,12.66 183.85,12.66
Board_22-GND on Top: 183.18,0.36 126.03,0.36 126.03,39.73 183.18,39.73
Board_22-GND on Top: 167.34,24.09 169.63,24.09 169.63,19.64 167.22,19.64 167.22,22.05 165.44,22.05 165.44,23.07 160.23,23.07 160.23,26.24 167.34,26.24
Board_22-GND on Top: 161.12,11.39 157.82,11.39 157.82,12.27 157.44,12.66 156.29,12.66 156.29,13.29 155.66,13.67 154.77,13.54 154.77,13.93 154.39,14.43 153.88,14.43 153.88,15.96 161.12,15.96
Board_22-GND on Bottom: 183.18,0.34 126.03,0.34 126.03,39.71 183.18,39.71
Board_22-GND on Bottom: 161.12,11.39 157.82,11.39 157.82,12.27 157.44,12.66 156.29,12.66 156.29,13.29 155.66,13.67 154.77,13.54 154.77,13.93 154.39,14.43 153.88,14.43 153.88,15.96 161.12,15.96
Board_22-GND on In1.Cu: 183.18,0.36 126.03,0.36 126.03,39.73 183.18,39.73
Board_22-Net-(C4-Pad1) on Top: 178.9,18.5 170.01,18.5 170.07,22.62 173.69,22.69 173.69,27.77 175.15,27.7 175.15,30.24 178.96,30.24
Board_22-Net-(C4-Pad1) on Bottom: 178.9,18.5 170.01,18.5 170.07,22.62 173.69,22.69 173.69,27.77 175.15,27.7 175.15,30.24 178.96,30.24
Board_22-Net-(C5-Pad2) on Top: 179.03,0.34 169.88,0.34 169.88,5.8 173.69,5.8 173.69,10.5 175.09,10.5 175.09,12.66 179.03,12.66
Board_22-Net-(C5-Pad2) on Bottom: 179.03,0.34 169.88,0.34 169.88,5.8 173.69,5.8 173.69,10.5 175.09,10.5 175.09,12.66 179.03,12.66
Board_22-Net-(C6-Pad1) on Top: 167.09,19.39 167.72,19.39 167.72,17.74 169.5,17.74 169.5,13.04 167.22,13.04 167.22,10.5 161.63,10.5 161.63,16.08 165.44,16.08 165.44,20.28 167.09,20.28
Board_22-Net-(C6-Pad1) on Bottom: 167.09,19.39 167.72,19.39 167.72,17.74 169.5,17.74 169.5,13.04 167.22,13.04 167.22,10.5 161.63,10.5 161.63,16.08 165.44,16.08 165.44,20.28 167.09,20.28
Board_22-Net-(D6-Pad2) on Top: 178.77,33.86 171.56,33.86 170.26,33.36 170.26,30.69 166.58,30.69 166.58,33.36 167.72,34.07 167.72,39.2 178.77,39.2
Board_23-/+VM on Top: 227.8,35.39 225.77,35.39 220.69,31.2 218.15,32.47 217.64,34.37 225.01,39.33 227.8,39.33
Board_23-/+VM on Top: 233.26,23.83 227.67,23.83 227.67,26.63 220.43,26.63 220.43,30.31 233.26,30.31
Board_23-/+VM on Top: 233.01,6.18 220.94,6.18 220.94,9.86 227.55,9.99 227.55,12.78 233.01,12.66
Board_23-/+VM on Top: 214.05,5.04 209.69,5.04 209.69,7.58 214.05,7.58
Board_23-/+VM on Top: 225.04,16.47 213.32,16.47 213.32,22.82 225.04,22.82
Board_23-/+VM on Bottom: 225.04,16.47 213.32,16.47 213.32,22.82 225.04,22.82
Board_23-/+VM on Bottom: 233.01,6.18 220.94,6.18 220.94,9.86 227.55,9.99 227.55,12.78 233.01,12.66
Board_23-/+VM on Bottom: 227.77,35.39 225.74,35.39 220.66,31.2 218.12,32.47 217.61,34.37 224.98,39.33 227.77,39.33
Board_23-/+VM on Bottom: 233.26,23.83 227.67,23.83 227.67,26.63 220.43,26.63 223.99,30.31 233.26,30.18
Board_23-/+VM on In1.Cu: 227.53,35.44 225.5,35.44 219.04,31.07 217.88,32.52 217.37,34.43 224.74,39.38 227.53,39.38
Board_23-/+VM on In2.Cu: 243.13,0.36 185.98,0.36 185.98,39.73 243.13,39.73
Board_23-/U on Top: 243.8,18.14 239.1,18.12 239.1,30.82 243.8,30.84
Board_23-/U on Bottom: 243.8,18.14 239.1,18.12 239.1,30.82 243.8,30.84
Board_23-/V on Top: 243.8,12.86 227.29,12.86 227.29,17.94 243.8,17.94
Board_23-/V on Bottom: 243.8,12.86 227.29,12.86 227.29,17.94 243.8,17.94
Board_23-/W on Top: 243.8,-0.04 239.48,0.08 239.48,12.78 243.8,12.66
Board_23-/W on Bottom: 243.8,-0.04 239.48,-0.04 239.48,12.66 243.8,12.66
Board_23-GND on Top: 243.13,0.36 185.98,0.36 185.98,39.73 243.13,39.73
Board_23-GND on Top: 227.29,24.09 229.58,24.09 229.58,19.64 227.17,19.64 227.17,22.05 225.39,22.05 225.39,23.07 220.18,23.07 220.18,26.24 227.29,26.24
Board_23-GND on Top: 221.07,11.39 217.77,11.39 217.77,12.27 217.39,12.66 216.24,12.66 216.24,13.29 215.61,13.67 214.72,13.54 214.72,13.93 214.34,14.43 213.83,14.43 213.83,15.96 221.07,15.96
Board_23-GND on Bottom: 243.13,0.34 185.98,0.34 185.98,39.71 243.13,39.71
Board_23-GND on Bottom: 221.07,11.39 217.77,11.39 217.77,12.27 217.39,12.66 216.24,12.66 216.24,13.29 215.61,13.67 214.72,13.54 214.72,13.93 214.34,14.43 213.83,14.43 213.83,15.96 221.07,15.96
Board_23-GND on In1.Cu: 243.13,0.36 185.98,0.36 185.98,39.73 243.13,39.73
Board_23-Net-(C4-Pad1) on Top: 238.85,18.5 229.96,18.5 230.02,22.62 233.64,22.69 233.64,27.77 235.1,27.7 235.1,30.24 238.91,30.24
Board_23-Net-(C4-Pad1) on Bottom: 238.85,18.5 229.96,18.5 230.02,22.62 233.64,22.69 233.64,27.77 235.1,27.7 235.1,30.24 238.91,30.24
Board_23-Net-(C5-Pad2) on Top: 238.98,0.34 229.83,0.34 229.83,5.8 233.64,5.8 233.64,10.5 235.04,10.5 235.04,12.66 238.98,12.66
Board_23-Net-(C5-Pad2) on Bottom: 238.98,0.34 229.83,0.34 229.83,5.8 233.64,5.8 233.64,10.5 235.04,10.5 235.04,12.66 238.98,12.66
Board_23-Net-(C6-Pad1) on Top: 227.04,19.39 227.67,19.39 227.67,17.74 229.45,17.74 229.45,13.04 227.17,13.04 227.17,10.5 221.58,10.5 221.58,16.08 225.39,16.08 225.39,20.28 227.04,20.28
Board_23-Net-(C6-Pad1) on Bottom: 227.04,19.39 227.67,19.39 227.67,17.74 229.45,17.74 229.45,13.04 227.17,13.04 227.17,10.5 221.58,10.5 221.58,16.08 225.39,16.08 225.39,20.28 227.04,20.28
Board_23-Net-(D6-Pad2) on Top: 238.72,33.86 231.51,33.86 230.21,33.36 230.21,30.69 226.53,30.69 226.53,33.36 227.67,34.07 227.67,39.2 238.72,39.2

## Text on the board
F.Silkscreen: +
